# Altium PCB board.PcbDoc
Units mm, origin at the board's own origin, x right, y up, seen from the top; angles counter-clockwise.
Board outline 60 x 40 mm, 2 copper layers (Top Layer, Bottom Layer), stack 1.66 mm thick; 14 components, 5 nets, 50 pads, 19 vias.
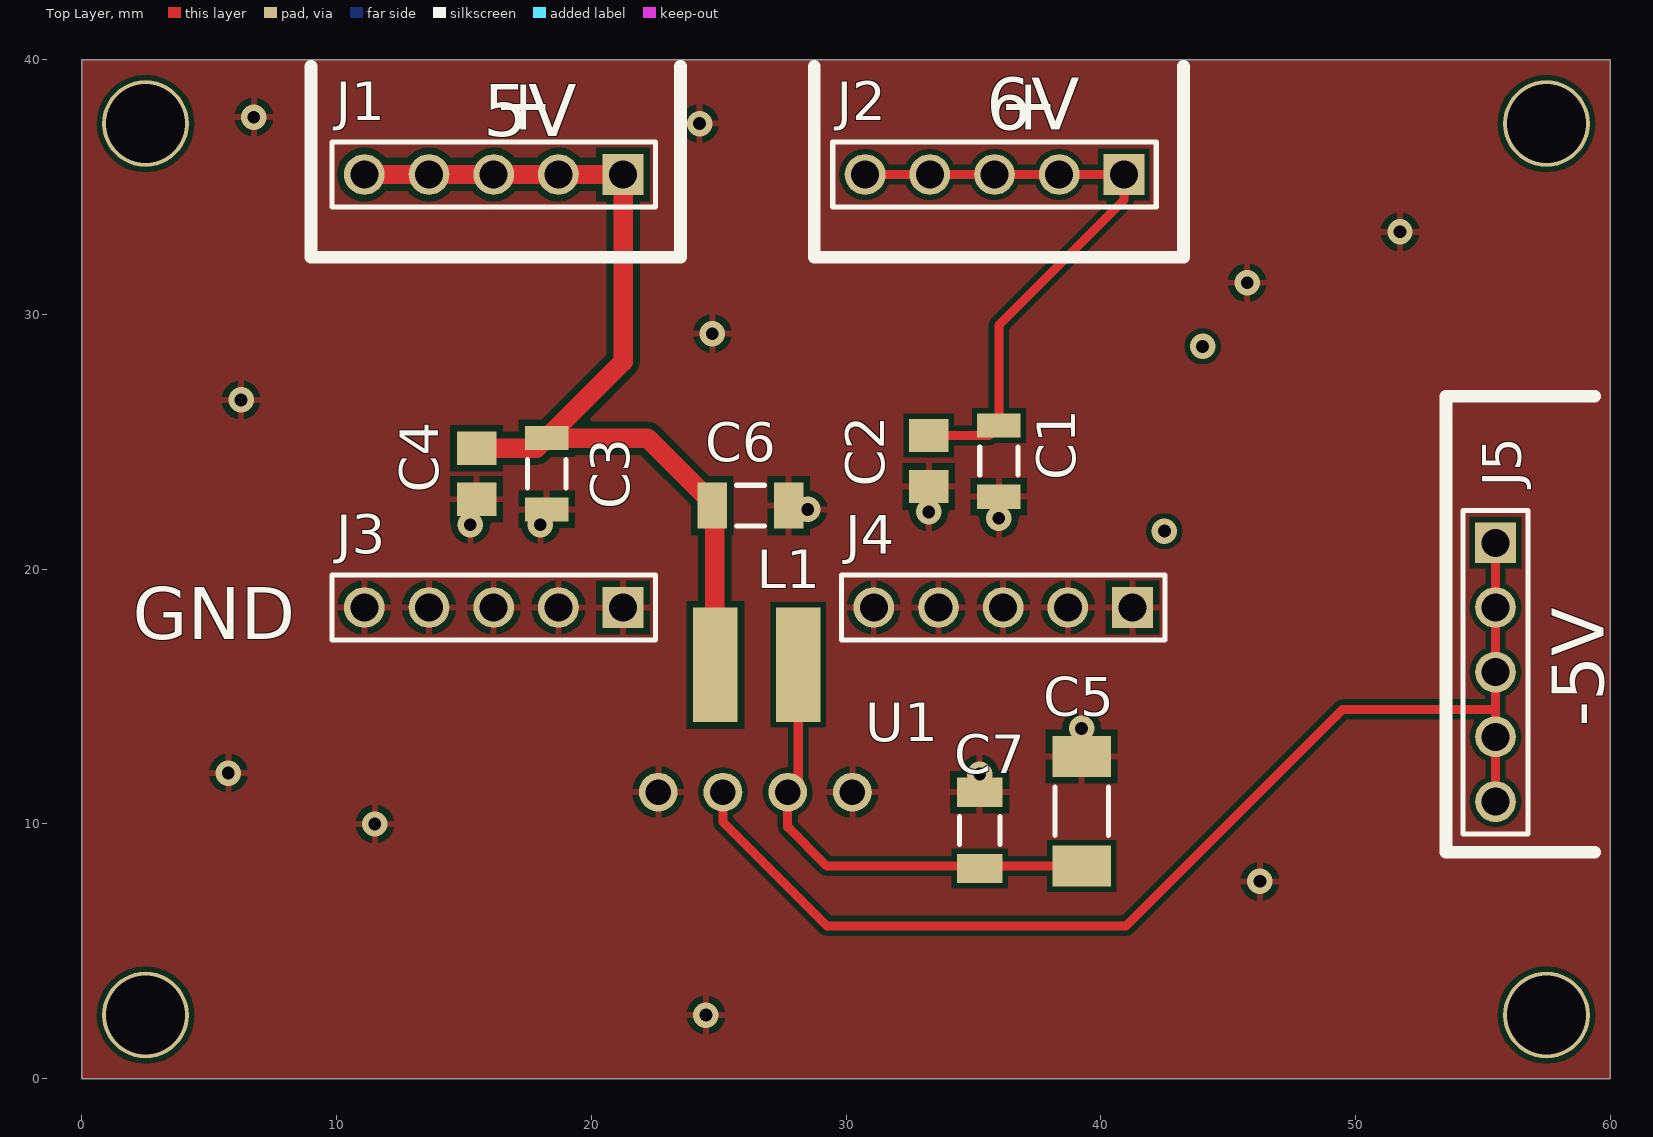
[diagram p0: Top Layer view]
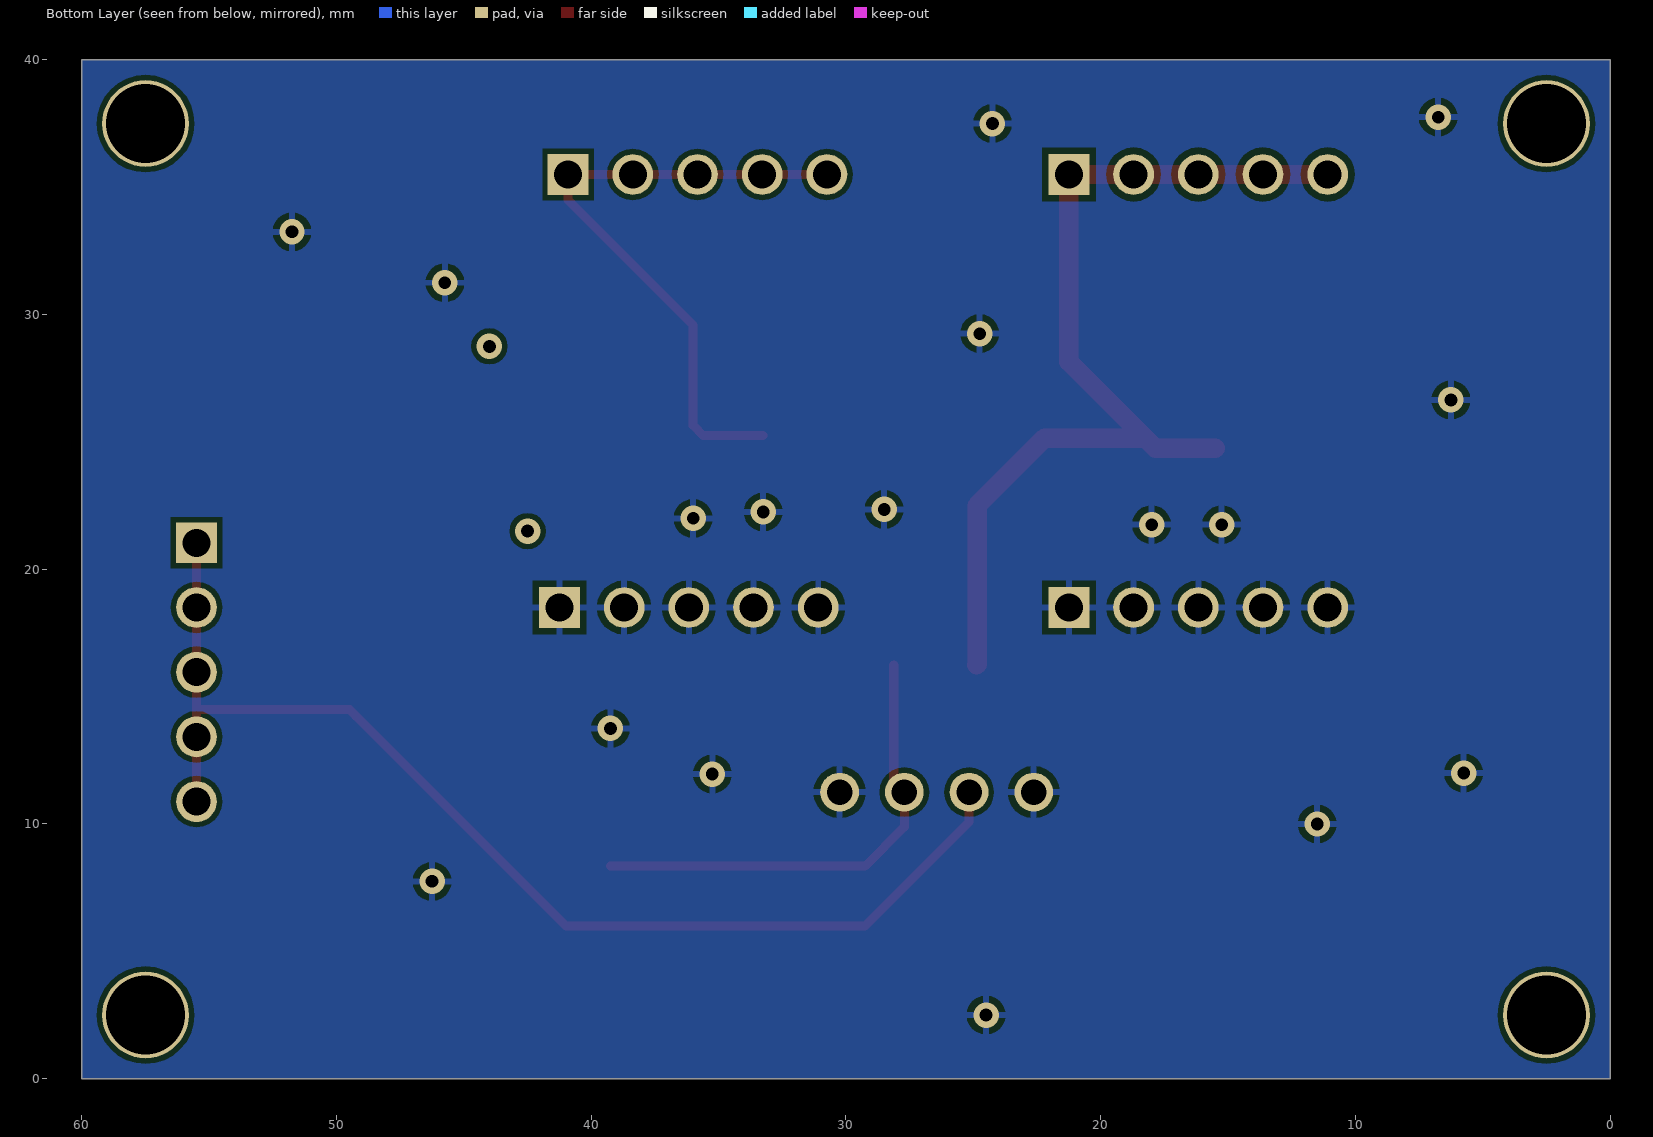
[diagram p1: Bottom Layer view, seen from below]

## Layer stack, top to bottom
Top Solder: solder mask 0.0102, Solder Resist, Dk 3.5
Top Layer: signal copper 0.055
Dielectric1: dielectric 1.55, FR-4, Dk 4.8
Bottom Layer: signal copper 0.055
Bottom Solder: solder mask 0.0102, Solder Resist, Dk 3.5

## Board outline
0,0 60,0 60,40 0,40

## Design rules (kind name [scope] priority, off if disabled: settings)
Clearance clearance_polygons [InNamedPolygon('Top Layer-gnd2')or InNamedPolygon('bottom Layer-gnd2') vs InNamedPolygon('Top Layer-gnd')or InNamedPolygon('bottom Layer-gnd')] p1: gap=1.5 ignorepadtopadclearanceinfootprint=FALSE except(0: Arc-Hole Track-Hole SMDPad-Hole THPad-Hole Via-Hole Fill-Hole Poly-Hole Region-Hole Text-Hole)
Clearance ClearanceRoom [WithinRoom('less')  or WithinRoom('less1') or WithinRoom('less2') or WithinRoom('less3') or WithinRoom('less4')] p2: gap=0.203 ignorepadtopadclearanceinfootprint=FALSE except(0: Arc-Hole Track-Hole SMDPad-Hole THPad-Hole Via-Hole Fill-Hole Poly-Hole Region-Hole Text-Hole)
Clearance "clearance_24V class" [InNetClass('24V_net')] p3: gap=0.254 ignorepadtopadclearanceinfootprint=FALSE except(0: Arc-Hole Track-Hole SMDPad-Hole THPad-Hole Via-Hole Fill-Hole Poly-Hole Region-Hole Text-Hole)
Clearance Clearance_1 [All] p4: gap=0.203 ignorepadtopadclearanceinfootprint=FALSE except(0: Arc-Hole Track-Hole SMDPad-Hole THPad-Hole Via-Hole Fill-Hole Poly-Hole Region-Hole Text-Hole)
FabricationTestPointUsage TestPointUsage [All] p1: valid=0 allowmultiple=FALSE
FabricationTestpoint Testpoint [All] p1: side=3 testpointundercomponent=TRUE minsize=1.016 maxsize=2.54 preferedsize=1.524 minholesize=0 maxholesize=1.016 preferedholesize=0.813 testpointgrid=0.025 allowsidetop=TRUE allowsidebottom=TRUE usegrid=TRUE gridtolerance=0
HoleSize [All] p1: absolutevalues=TRUE maxlimit=6 minlimit=0.025 maxpercent=80.000 minpercent=20.000
PolygonConnect PolygonConnect_Power [(InNet('+5V') OR InNet('-24VBUS'))] p1: connectstyle=Relief reliefconductorwidth=2.54 reliefentries=4 polygonreliefangle="90 Angle" airgapwidth=0.254
PolygonConnect [All] p2: connectstyle=Relief reliefconductorwidth=0.254 reliefentries=4 polygonreliefangle="90 Angle" airgapwidth=0.254
RoutingVias [All] p1: holewidth=0.711 width=1.27 viastyle="Through Hole" minholewidth=0.711 minwidth=1.27 maxholewidth=0.711 maxwidth=1.27
SilkToSolderMaskClearance SilkscreenOverComponentPads [IsPad] p1: minsilkscreentomaskgap=0.254 clearancetoexposedcopper=TRUE
SolderMaskExpansion [All] p1: expansion=0.102
Width WidthRoom [WithinRoom('less')  or WithinRoom('less1') or WithinRoom('less2') or WithinRoom('less3') or WithinRoom('less4')] p1: maxlimit=0.356 minlimit=0.356 preferedwidth=0.356
Width "Width_24V class" [InNetClass('24V_net')] p2: maxlimit=0.762 minlimit=0.762 preferedwidth=0.762
Width Width_1 [All] p3: maxlimit=0.356 minlimit=0.356 preferedwidth=0.356
26 further rules are at their usual default settings.

## Classes and differential pairs
net class 24V_net: +5V

## Components (designator, comment, footprint, x,y, rotation, side; value= is the part's Value field where it differs from the comment)
C1 "100uF 6.3V" CAPC1206(3216)190_L 36,24.25 r90 top value=100uF
C2 "100n" CAPC2013X88X50ML20T25 33.25,24.25 r90 top
C3 "100uF 6.3V" CAPC1206(3216)190_L 18.25,23.75 r90 top value=100uF
C4 "100n" CAPC2013X88X50ML20T25 15.5,23.75 r90 top
C5 "885 352 210 013" CAPC1808(4520)215_M 39.25,10.5 r90 top
C6 "1uF" CAPC1206(3216)190_N 26.25,22.5 r180 top
C7 "1uF" CAPC1206(3216)190_N 35.25,9.75 r270 top
J1 "61300511121" 61300411121 21.25,35.5 r180 top
J2 "61300511121" 61300411121 40.91,35.5 r180 top
J3 "61300511121" 61300411121 21.25,18.5 r180 top
J4 "61300511121" 61300411121 41.25,18.5 r180 top
J5 "61300511121" 61300411121 55.5,21.04 r270 top
L1 "WE - 744773168" WE-PD2-S 26.5,16.25 r0 top
U1 "177920511" WE-FSIM-SIP-4 30.25,11.25 r180 top

## Footprints (in the part's own frame and the unit in brackets; to place one, negate y for a bottom-side part, rotate by r counter-clockwise, add the part's x,y. Pads: shape width x height; smd on the part's side, far side on the other; paste and mask are expansions set on the pad)
61300411121 [mm] "4Pol; gerade; WR-PHD 2.54 mm THT Pin Header"
  rect 1.6x1.6 hole 1.1: 1(0,0)
  round 1.6 hole 1.1: 2(2.54,0) 3(5.08,0) 4(7.62,0) 5(10.16,0)
  silkscreen extent -1.27,-1.27 11.43,1.27, body extent -1.27,-1.27 11.43,1.27, height 8.57
CAPC1206(3216)190_L [mm] "Chip Capacitor, Body 3.2x1.6mm, Height 1.9mm, IPC High Density"
  rect 0.95x1.7 smd: 1(-1.4,0) 2(1.4,0)
  silkscreen extent -0.55,-0.75 0.55,0.75, body extent -1.7,-0.9 1.7,0.9, height 1.9
CAPC1206(3216)190_N [mm] "Chip Capacitor, Body 3.2x1.6mm, Height 1.9mm, IPC Medium Density"
  rect 1.15x1.8 smd: 1(-1.5,0) 2(1.5,0)
  silkscreen extent -0.55,-0.8 0.55,0.8, body extent -1.7,-0.9 1.7,0.9, height 1.9
CAPC1808(4520)215_M [mm] "Chip Capacitor, Body 4.5x2.0mm, Height 2.15mm, IPC Low Density"
  rect 1.6x2.3 smd: 1(-2.15,0) 2(2.15,0)
  silkscreen extent -0.95,-1.05 0.95,1.05, body extent -2.6,-1.1 2.6,1.1, height 2.15
CAPC2013X88X50ML20T25 [mm] "Chip Capacitor, 2-Leads, Body 2.00x1.25mm, IPC Low Density"
  rect 1.3x1.55 smd: 1(-1,0) 2(1,0)
  body extent -1.1,-0.72 1.1,0.72, height 0.88
WE-FSIM-SIP-4 [mil] "Isolierte SIP Modul mit fixem Ausgang, DC/DC converter, 24Vin 5Vout, 200mA"
  round 60 hole 39.37: 1(0,0) 2(100,0) 3(200,0) 4(300,0)
  body extent -79,-59 374,177, height 394
WE-PD2-S [mm] "SMD Inductor, 2-Leads, Body 4.5 x 4.0 mm"
  rect 1.75x4.5 smd: 1(-1.625,0) 2(1.625,0)
  body extent -2.23,-2 2.23,2, height 3.17

## Part data
C1 C3: library part CMP-00469-1, "CAP 100uF 6.3V ±20% 1206 (3216 Metric) Thickness 1.9mm SMD", Case-EIA=1206, Case-Metric=3216, Rated Voltage="6.3 V", Tolerance=±20%, Max Thickness="1.9 mm", Technology=SMT
C2 C4: library part CMP-001-0082-2, "generic 0805 COG oder X7R Vielschichtkondensatoren max. +/-10%"
C5: library part CMP-001-0032-3, "1,0nF  1808  250V", Capacitance=1000pF, Manufacturer="Wurth Electronics Inc.", Operating Temperature="-55°C ~ 125°C", Package / Case="1808 (4520 Metric)", Ratings="X1, Y2", Supplier Part Number=732-10341-2-ND, Temperature Coefficient=X7R, Tolerance=±10%, Voltage - Rated=250VAC, Applications=Safety, ComponentLink1Description=885352210013.pdf, ComponentLink1URL=http://katalog.we-online.de/pbs/datasheet/885352210013.pdf, Features=-, Height - Seated (Max)=-, Lead Spacing=-, Lead Style=-, Mounting Type="Surface Mount, MLCC", Packaging="Tape & Reel (TR)", PartNumber="885 352 210 013", Part Status=Active, Size / Dimension="0.177\" L x 0.079\" W (4.50mm x 2.00mm)", Supplier=Digi-Key, Thickness (Max)="0.087\" (2.20mm)"
C6 C7: library part CMP-001-0138-A.1, "CAP CER 1UF 10V X7R 1206", Manufacturer="Wurth Electronics Inc.", Manufacturer Part Number=885012208013, Operating Temperature="-55°C ~ 125°C", Package / Case="1206 (3216 Metric)", Ratings=-, Supplier Part Number=732-7685-1-ND, Temperature Coefficient=X7R, Tolerance=±10%, Voltage - Rated=10V, Applications="General Purpose", ComponentLink1Description=885012208013.pdf, ComponentLink1URL=http://katalog.we-online.de/pbs/datasheet/885012208013.pdf, Features=-, Height - Seated (Max)=-, Lead Spacing=-, Lead Style=-, Mounting Type="Surface Mount, MLCC", Notification="Current market demand for these product types have resulted in fluctuating and extending lead times. Lead times may differ.", Packaging="Cut Tape (CT)", Part Status=Active, Size / Dimension="0.126\" L x 0.063\" W (3.20mm x 1.60mm)", Supplier=Digi-Key, Thickness (Max)="0.051\" (1.30mm)"
J1 J2 J3 J4 J5: library part CMP-001-0074-1, "5Pol; gerade; WR-PHD 2.54 mm THT Pin Header", Current Rating="3 A", Flammability Rating="UL 94 V-0", Insulation Resistance="1 GOhms", Manufacturer="Wurth Electronics", Supplier Part Number=710-61300511121, Brand="Wurth Electronics", ComponentLink1Description=6130xx11121-538006.pdf, ComponentLink1URL=http://www.mouser.com/ds/2/445/6130xx11121-538006.pdf, Contact Gender="Pin (Male)", Contact Material="Copper Alloy", Contact Plating=Gold, Contact Type=-, Housing Gender=-, Housing Material="Polyamide (PA)", Manufacturer Part Number=61300511121, Mating Post Length="6 mm", Minimum Order Quantity=1, Mounting Angle=Straight, Mounting Style="Straight Pin", Number of Positions="5 Position", Number of Rows="1 Row", Packaging=Bulk, PartNumber=61300511121, Pitch="2.54 mm", Product=Headers, Reeling=False, RoHS - Mouser=Y, Row Spacing=-, Series=WR-PHD, Standard Pack Qty=1000, Supplier=Mouser, Termination Post Length="3 mm", Termination Style="Through Hole", Type="Pin Strip"
L1: library part CMP-001-0054-3, "WE-PD2 SMD-Speicherdrossel; 68uH; 0,68A; L = 68 µH ±10%; IR = 0.56A; Isat = 0.68 A; RDC = 1.117 O", Inductance="68.0 µH", Manufacturer="Wurth Electronics", PartNumber=744773168, ComponentLink1Description="Manufacturer Link", ComponentLink1URL=http://www.we-online.com, ComponentLink2Description=Datasheet, ComponentLink2URL=http://www.we-online.de/katalog/media/pdf/744773168.pdf, DatasheetVersion="ver 1, Oct-2004", PackageDescription="SMD Inductor, 2-Leads, Body 4.5 x 4.0 mm", PackageReference=WE-PD2-S, PackageVersion=2004
U1: library part CMP-001-0110-A.2, "FISM Fisxed Isolated Module 177 920 511 Isolierte SIP Modul mit fixem Ausgang, DC/DC converter, 5Vin 5Vout, 200mA", Current - Output (Max)=200mA, Manufacturer="Wurth Electronics Inc.", Operating Temperature="-40°C ~ 85°C", Package / Case="4-SIP Module", PartNumber="177 920 511", Power (Watts)=1W, Supplier Device Package=-, Supplier Part Number=732-10876-ND, Voltage - Input (Max)=5.5V, Voltage - Input (Min)=4.5V, Voltage - Isolation="1kV (1000V)", Voltage - Output 1=5V, Applications="ITE (Commercial)", ComponentLink1Description=177920511.pdf, ComponentLink1URL=http://katalog.we-online.de/pm/datasheet/177920511.pdf, Efficiency=79%, Features=-, Manufacturer Part Number=177920511, Mounting Type="Through Hole", Number of Outputs=1, Packaging=Tube, Part Status=Active, Size / Dimension="0.45\" L x 0.24\" W x 0.39\" H (11.5mm x 6.0mm x 10.0mm)", Supplier=Digi-Key, Type="Isolated Module", Voltage - Output 2=-, Voltage - Output 3=-

## Free pads (board coordinates)
  round 4.5 hole 4.5: 1(-100.05,57.6)
  round 3.4 hole 3.1: 1(2.5,2.5) 1(2.5,37.5) 1(57.5,2.5) 1(57.5,37.5)

## Via types
v1: diameter 1, hole 0.5, Top Layer to Bottom Layer, 19 vias

## Nets (pads, with @x,y where several pads share a name; then routed paths per layer and width w, separated by ;. In a path a pad name is that pad's centre, name@x,y a point inside that pad or via, vN(x,y) a via of type N, cw(c..) or ccw(c..) an arc to the next point about the centre after c; other vN are vias at no path point)
+5V: C3.2 C4.2 C6.2 J1.1 J1.2 J1.3 J1.4 J1.5 L1.1 | length 38.6
  Top Layer w0.762: J1.5 J1.4 J1.3 J1.2 J1.1 21.25,28.15 C3.2 ; C4.2 17.85,24.75 C3.2 ; L1.1 24.85,16.275 24.85,22.5 22.2,25.15 C3.2
+6V: C1.2 C2.2 J2.1 J2.2 J2.3 J2.4 J2.5 | length 25
  Top Layer w0.356: J2.5 J2.4 J2.3 J2.2 J2.1 40.91,34.49 36,29.58 C1.2 35.6,25.25 C2.2
-5V: J5.1 J5.2 J5.3 J5.4 J5.5 U1.3 | length 46.9
  Top Layer w0.356: U1.3 25.17,10.08 29.25,6 41,6 49.25,14.25 49.5,14.5 55.5,14.5 ; J5.5 J5.4 55.5,14.5 ; J5.1 J5.2 J5.3 55.5,14.5
gnd: C1.1 C2.1 C3.1 C4.1 C5.2 C6.1 C7.1 J3.1 J3.2 J3.3 J3.4 J3.5 J4.1 J4.2 J4.3 J4.4 J4.5 U1.1 U1.4
  other v1: 24.5,2.5 46.25,7.75 11.5,10 35.25,11.96 5.75,12 39.25,13.75 15.25,21.75 18,21.75 36,22 33.25,22.25 28.5,22.35 6.25,26.65 24.75,29.25 45.75,31.25 51.75,33.25 24.25,37.5 6.75,37.75
NetC5_1: C5.1 C7.2 L1.2 U1.2 | length 18.7
  Top Layer w0.356: L1.2 28.125,11.665 U1.2 27.71,9.89 29.25,8.35 C5.1
copper on no net:
  other v1: 42.5,21.5 44,28.75

## Polygon pours and split planes (outlines as drawn)
gnd on Top Layer "top gnd" (solid, remove dead copper, pour order 15): 0,0 60,0 60,40 0,40
gnd on Bottom Layer "bottom gnd" (solid, remove dead copper, pour order 16): 0,0 60,0 60,40 0,40

## Silkscreen, mask and mechanical layers (free items; w line width, h text height)
Top Overlay:
  lines w0.5: 9,39.75 9,32.25 23.5,32.25 23.5,39.75 ; 28.75,39.75 28.75,32.25 43.25,32.25 43.25,39.75 ; 53.554,26.75 53.554,8.89 59.396,8.89 ; 53.554,26.79 59.396,26.79
  text "+" at 16.17,37.25 h2.03
  text "6V" at 35.5,37.25 h2.03
  text "+" at 36,37.25 h2.03
  text "5V" at 15.75,37 h2.03
  text "GND" at 2,17.25 h2.03
  text "-5V" at 59.75,13.828 h2.03 r90
M1_BoardOutline:
  the board outline again, w0.127
M12_titleBlock:
  lines w0.127: -54.434,-10.782 -49.354,-10.782 ; -54.434,37.478 -49.354,37.478 ; -54.434,85.738 -49.354,85.738 ; 18.591,-59.042 18.591,-53.962 ; 18.591,128.918 18.591,133.998 ; 91.616,-59.042 91.616,-53.962 ; 91.616,128.918 91.616,133.998 ; 118.286,-53.962 82.726,-53.962 82.726,-23.482 118.286,-23.482 ; 119.023,-46.342 232.586,-46.342 ; 119.023,-38.722 232.586,-38.722 ; 119.023,-31.102 156.386,-31.102 ; 156.386,-53.962 156.386,-38.722 156.386,-23.482 ; 164.641,-59.042 164.641,-53.962 ; 164.641,128.918 164.641,133.998 ; 209.726,-53.962 209.726,-38.722 ; 232.586,-10.782 237.666,-10.782 ; 232.586,37.478 237.666,37.478 ; 232.586,85.738 237.666,85.738 ; 156.386,-23.482 119.023,-23.482 119.023,-53.962 232.586,-53.962 ; 156.386,-23.482 232.586,-23.482 232.586,-53.962 ; 232.586,-53.962 -49.354,-53.962 -49.354,128.918 232.586,128.918 232.586,-53.962 ; -54.434,-59.042 237.666,-59.042 237.666,133.998 -54.434,133.998 -54.434,-59.042
  lines w0.254: 185.38,-22.86 185.38,127 ; 185.38,67.362 231.1,67.362 231.1,69.902 231.1,88.9 ; 185.38,88.9 231.1,88.9 ; 185.38,93.98 231.1,93.98 231.1,88.9
  text "1" at -18.188,130.569 h1.78
  text "2" at 54.456,130.569 h1.78
  text "3" at 127.608,130.569 h1.78
  text "4" at 200.506,130.569 h1.78
  text "A" at -52.529,107.556 h1.78
  text "A" at 234.491,107.556 h1.78
  text "Abstand von Frontpanelkante" at 187.92,101.6 h1.52
  text "links unten zum Nullpunkt:" at 187.92,99.06 h1.52
  text "13,9mm" at 187.92,96.52 h1.52
  text "Mechanical Layer Definitionen:" at 187.92,90.222 h1.52
  text "M1_boardOutline" at 187.92,86.36 h1.52
  text "M11_text_topL" at 187.92,82.602 h1.52
  text "M12_titleBlock" at 187.92,80.062 h1.52
  text "M13_3D_topL" at 187.92,77.522 h1.52
  text "M14_3D_botL" at 187.92,74.982 h1.52
  text "M15_courtyard_topL" at 187.92,72.726 h1.52
  text "M16_courtyard_botL" at 187.92,70.186 h1.52
  text "B" at -52.529,59.499 h1.78
  text "B" at 234.491,59.499 h1.78
  text "C" at -52.529,10.986 h1.78
  text "C" at 234.491,10.986 h1.78
  text "ENGINEER:" at 119.556,-26.022 h1.14
  text "TITLE:" at 157.656,-26.022 h1.14
  text "PCB DESIGNER:" at 119.556,-33.515 h1.14
  text "D" at -52.529,-37.02 h1.78
  text "D" at 234.491,-37.02 h1.78
  text "EMBL - European" at 77.748,-39.688 h1.78
  text "DATE:" at 119.556,-41.262 h1.14
  text "PART NO.:" at 157.656,-41.262 h1.14
  text "REV:" at 210.996,-41.262 h1.14
  text "Molecular Biology Laboratory" at 84.098,-42.227 h1.78
  text "Meyerhofstrasse 1" at 84.098,-44.133 h1.78
  text ".Print_Date" at 120.826,-44.31 h1.78
  text "69117 Heidelberg" at 84.098,-47.307 h1.78
  text "FILE NAME:" at 119.556,-48.882 h1.14
  text "DWG NO:" at 157.656,-48.882 h1.14
  text "SCALE:" at 210.996,-48.882 h1.14
  text "Germany" at 84.098,-50.165 h1.78
  text ".PCB_FILE_NAME_NO_PATH" at 120.826,-51.93 h1.78
  text "1" at -18.188,-57.391 h1.78
  text "2" at 54.456,-57.391 h1.78
  text "3" at 127.608,-57.391 h1.78
  text "4" at 200.506,-57.391 h1.78